# Altium PCB ctrl_boardV1.2.PcbDoc (part 3 of 3)
Units mm, origin at the board's own origin, x right, y up, seen from the top; angles counter-clockwise.
Board outline 212 x 85 mm, 2 copper layers (Top Layer, Bottom Layer); 255 components, 141 nets, 739 pads, 2246 vias.
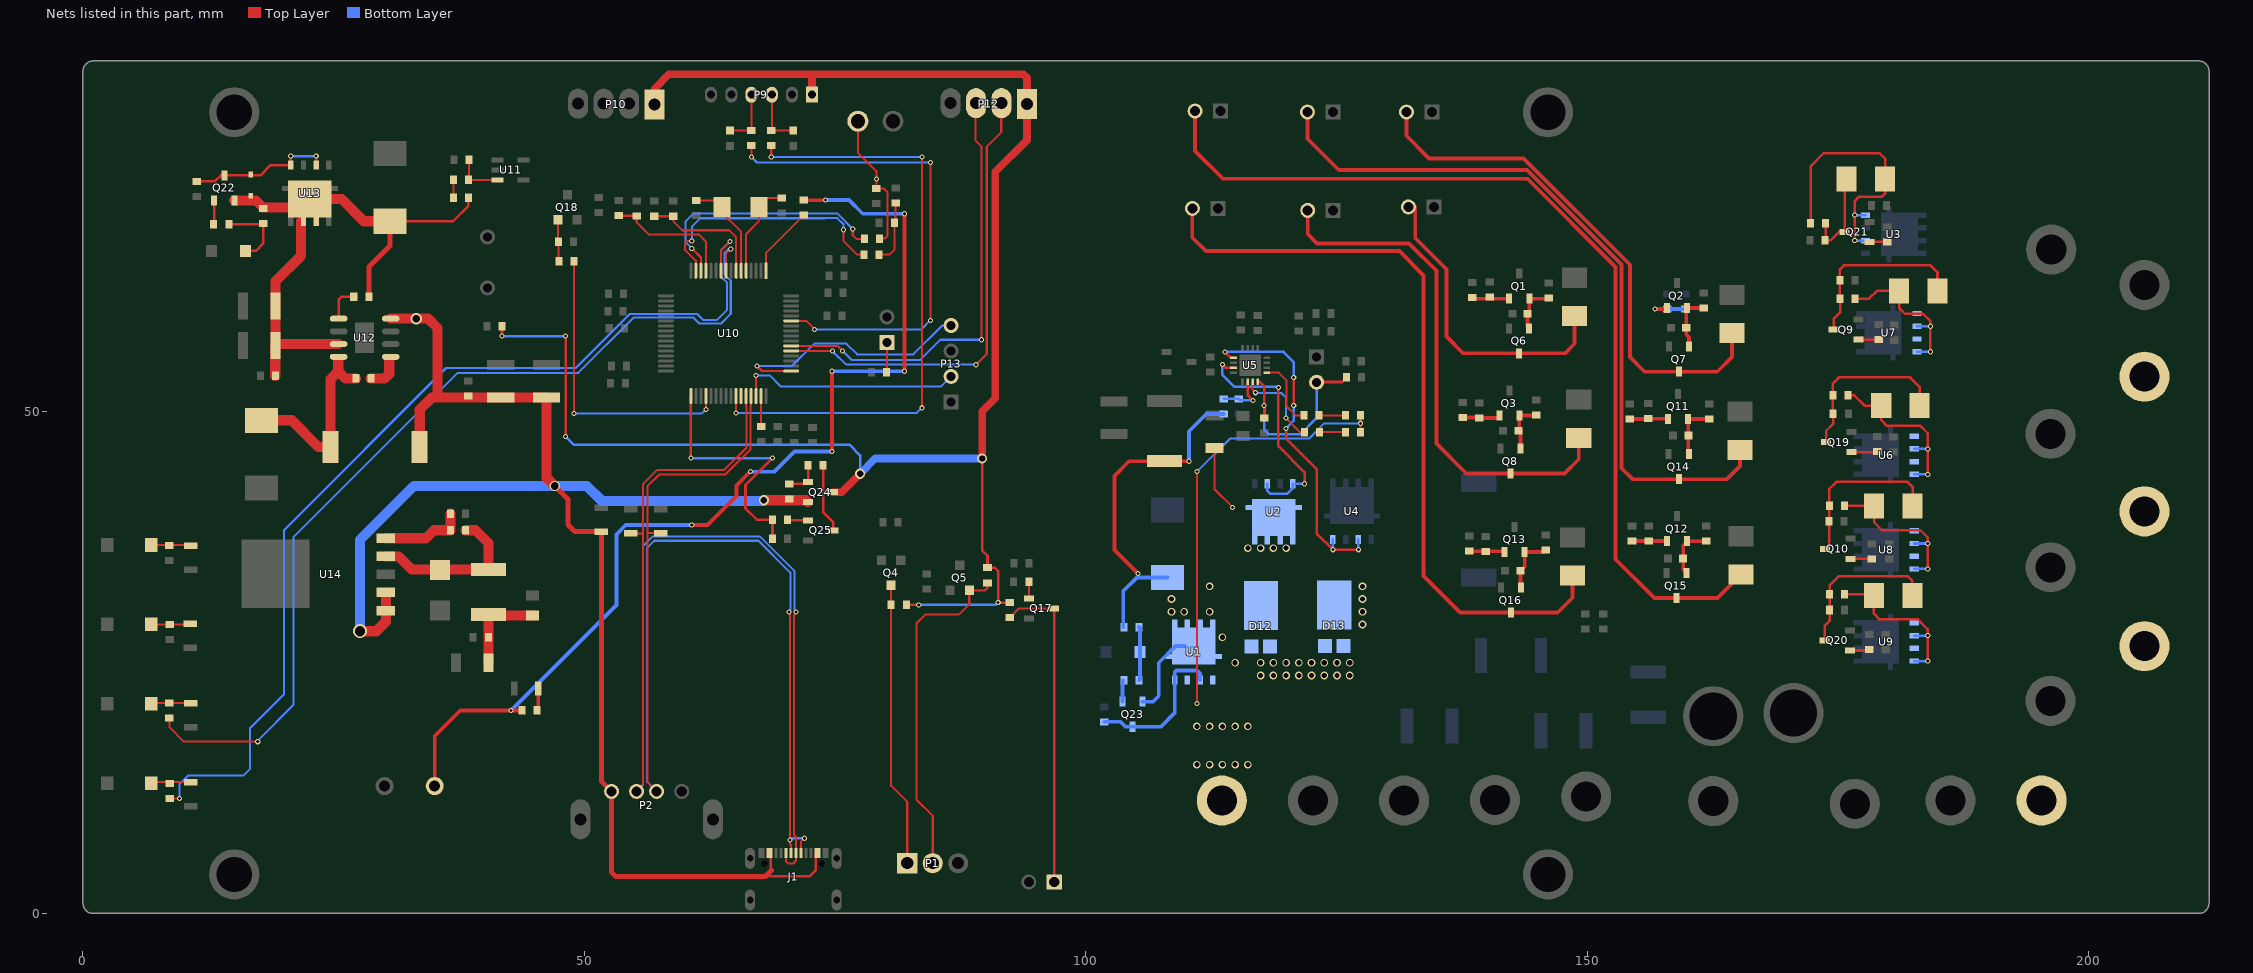
[diagram p3: the nets of this part, all layers, seen from the top]

## Via types
v1: diameter 0.508, hole 0.305, Top Layer to Bottom Layer, tented both sides, 2167 vias
v2: diameter 0.762, hole 0.508, Top Layer to Bottom Layer, tented both sides, 67 vias
v3: diameter 1.016, hole 0.635, Top Layer to Bottom Layer, tented both sides, 3 vias
v4: diameter 1.016, hole 0.762, Top Layer to Bottom Layer, tented both sides, 2 vias
v5: diameter 1.397, hole 1.016, Top Layer to Bottom Layer, tented both sides, 2 vias
v6: diameter 1.143, hole 0.762, Top Layer to Bottom Layer, tented both sides, 2 vias
v7: diameter 1.5, hole 1, Top Layer to Bottom Layer, 1 vias
v8: diameter 1.524, hole 1.016, Top Layer to Bottom Layer, tented both sides, 1 vias
v9: diameter 1.27, hole 0.762, Top Layer to Bottom Layer, tented both sides, 1 vias

## Nets (pads, with @x,y where several pads share a name; then routed paths per layer and width w, separated by ;. In a path a pad name is that pad's centre, name@x,y a point inside that pad or via, vN(x,y) a via of type N, cw(c..) or ccw(c..) an arc to the next point about the centre after c; other vN are vias at no path point) (continued)
NetC14_2: C14.2 U10.47 | length 3
  Top Layer w0.203: C14.2@67.615,48.541 67.623,48.549 U10.47@67.623,51.584
NetC15_2: C15.2 L1.1 U10.13 | length 13
  Top Layer w0.203: C15.2@53.416,69.569 55.17,69.569 L1.1@55.22,69.52 55.22,68.91 55.88,68.25 56.413,67.716 61.392,67.716 62.123,66.985 U10.13@62.123,64.084
NetC16_2: C16.2 R53.2 U10.7 | length 12.7
  Top Layer w0.203: R53.2@56.972,69.518 C16.2@58.877,69.518 58.877,69.005 59.026,68.856 59.76,68.123 64.44,68.123 65.123,67.44 U10.7@65.123,64.084
NetC25_1: C25.1 D24.2 L3.1 U12.8 | length 18.9
  Top Layer w1.016: D24.2@17.805,49.168 20.809,49.168 23.475,46.502 L3.1@24.678,46.502 24.678,53.279 25.451,54.051 ; 25.451,55.067 25.451,54.051 ; C25.1@27.203,53.34 26.162,53.34 25.451,54.051
NetC25_2: C25.2 U12.1 | length 3.4
  Top Layer w1.016: C25.2@28.703,53.34 30.074,53.34 30.531,53.797 30.531,55.194
Netcooler1_2: cooler1.2 D1.1 Q6.3 | length 30.8
  Top Layer w0.381: cooler1.2@132.842,70.46 132.842,67.361 135.97,64.233 135.97,57.509 137.632,55.848 Q6.3@143.2,55.848 147.77,55.848 148.721,56.798 D1.1@148.721,59.557
Netcooler2_2: cooler2.2 D2.1 Q7.3 | length 52.9
  Top Layer w0.381: cooler2.2@131.978,79.908 131.978,77.546 134.235,75.289 143.654,75.289 154.258,64.686 154.258,55.477 155.717,54.019 Q7.3@159.151,54.019 162.959,54.019 164.418,55.477 D2.1@164.418,57.855
NetD3_1: D3.1 P3.2 Q8.3 | length 52.1
  Top Layer w0.381: P3.2@122.127,70.108 122.127,67.738 123.063,66.802 132.232,66.802 134.954,64.08 134.954,46.841 137.937,43.859 Q8.3@142.336,43.859 147.719,43.859 149.153,45.292 D3.1@149.153,47.416
NetD4_1: D4.1 R6.2 U7.2 U7.4 | length 15.8
  Top Layer w0.254: R6.2@176.713,61.294 178.109,61.294 178.896,62.081 D4.1@181.096,62.081 181.096,60.39 181.69,59.795 183.468,59.795 184.209,59.055 v1(184.209,58.547) v1(184.209,56.007)
  Bottom Layer w0.254: U7.4@182.861,56.007 v1(184.209,56.007) ; U7.2@182.861,58.547 v1(184.209,58.547)
NetD4_2: D4.2 Q9.3 R4.1 R6.1 | length 18.3
  Top Layer w0.254: Q9.3@174.567,58.205 174.567,59.277 175.213,59.922 R6.1@175.213,61.294 175.188,61.319 R4.1@175.188,63.148 175.188,64.215 175.594,64.621 184.23,64.621 184.926,63.926 D4.2@184.926,62.081
NetD5_1: D5.1 R7.2 U8.2 U8.4 | length 16.4
  Top Layer w0.254: R7.2@175.646,40.644 D5.1@178.607,40.644 178.607,39.003 179.404,38.205 183.214,38.205 183.955,37.465 v1(183.955,36.885) v1(183.955,34.345)
  Bottom Layer w0.254: U8.4@182.607,34.345 v1(183.955,34.345) ; U8.2@182.607,36.885 v1(183.955,36.885)
NetD5_2: D5.2 Q10.3 R5.1 R7.1 | length 16.8
  Top Layer w0.254: Q10.3@173.729,36.361 174.121,36.752 R5.1@174.121,39.12 174.146,39.145 R7.1@174.146,40.644 174.146,42.346 174.832,43.031 181.944,43.031 182.437,42.539 D5.2@182.437,40.644
NetD6_1: D6.1 P6.2 Q14.3 | length 73.9
  Top Layer w0.381: P6.2@122.098,79.908 122.098,77.241 125.215,74.124 143.993,74.124 153.414,64.704 153.414,44.384 154.497,43.3 Q14.3@159.125,43.3 163.925,43.3 165.231,44.606 D6.1@165.231,46.222
NetD7_1: D7.1 P7.2 Q15.3 | length 94.9
  Top Layer w0.381: P7.2@110.896,80.01 110.896,76.031 113.673,73.254 144.038,73.254 152.83,64.462 152.83,35.316 156.707,31.438 Q15.3@158.897,31.438 162.995,31.438 D7.1@165.332,33.776
NetD8_1: D8.1 P8.2 Q16.3 | length 76.7
  Top Layer w0.381: P8.2@110.617,70.307 110.617,67.412 111.989,66.04 131.267,66.04 133.684,63.623 133.684,33.633 137.327,29.99 Q16.3@142.387,29.99 147.059,29.99 148.543,31.474 D8.1@148.543,33.674
NetD9_1: D9.1 R29.2 U6.2 U6.4 | length 17.1
  Top Layer w0.254: R29.2@176.002,51.667 176.61,51.667 177.651,50.626 D9.1@179.318,50.626 179.318,49.214 179.912,48.619 183.214,48.619 183.955,47.879 v1(183.955,46.319) v1(183.955,43.779)
  Bottom Layer w0.254: U6.4@182.607,43.779 v1(183.955,43.779) ; U6.2@182.607,46.319 v1(183.955,46.319)
NetD9_2: D9.2 Q19.3 R27.1 R29.1 | length 17.3
  Top Layer w0.254: Q19.3@173.831,47.003 173.831,48.126 174.527,48.823 R27.1@174.527,49.839 174.502,49.864 R29.1@174.502,51.667 174.502,52.861 175.086,53.445 182.198,53.445 183.148,52.496 D9.2@183.148,50.626
NetD10_1: D10.1 R30.2 U9.2 U9.4 | length 16.6
  Top Layer w0.254: R30.2@175.672,31.805 178.48,31.805 D10.1@178.581,31.703 178.581,29.884 179.15,29.315 182.96,29.315 183.955,28.321 v1(183.955,27.706) v1(183.955,25.166)
  Bottom Layer w0.254: U9.4@182.607,25.166 v1(183.955,25.166) ; U9.2@182.607,27.706 v1(183.955,27.706)
NetD10_2: D10.2 Q20.3 R28.1 R30.1 | length 16
  Top Layer w0.254: Q20.3@173.678,27.217 173.678,28.67 174.172,29.163 R28.1@174.172,30.255 R30.1@174.172,31.805 174.172,32.719 175.086,33.633 181.944,33.633 182.411,33.166 D10.2@182.411,31.703
NetD11_1: D11.1 R36.2 U3.2 U3.4 | length 26.8
  Top Layer w0.254: R36.2@172.265,68.838 172.265,74.501 173.562,75.797 179.15,75.797 179.693,75.254 D11.1@179.693,73.232 179.693,71.769 179.404,71.479 177.118,71.479 176.677,71.038 v1(176.677,69.635) v1(176.677,67.095)
  Bottom Layer w0.254: v1(176.677,67.095) U3.2@177.763,67.095 ; v1(176.677,69.635) U3.4@177.763,69.635
NetD11_2: D11.2 Q21.3 R35.1 R36.1 | length 9.4
  Top Layer w0.254: R36.1@173.765,68.838 173.765,67.187 R35.1@173.714,67.136 174.299,67.136 175.121,67.958 Q21.3@175.659,67.958 175.659,73.028 D11.2@175.863,73.232
NetD12_3: D12.3 D13.3 R68.1 U2.5 U2.6 U2.7 U2.8 | length 6.7
  Top Layer w0.203: R68.1@112.831,46.41 112.831,42.295 v1(114.634,40.491)
  other v2: 127.588,28.807 127.588,30.077 127.588,31.347 127.588,32.617 116.158,36.427 117.428,36.427 118.698,36.427 119.968,36.427
NetD17_2: D17.2 R64.1 R65.1 | length 5.4
  Bottom Layer w0.381: R65.1@105.312,23.245 105.395,23.328 D17.2@105.395,26.064 105.395,28.47 R64.1@105.312,28.553
NetD20_2: D20.2 R57.1 SW1.2 | length 4
  Top Layer w0.203: SW1.2@6.805,12.987 6.919,13.101 D20.2@10.767,13.101
NetD21_2: D21.2 R58.1 SW2.2 | length 4
  Top Layer w0.203: SW2.2@6.805,20.903 6.876,20.975 D21.2@10.767,20.975
NetD22_2: D22.2 R60.1 SW3.2 | length 3.8
  Top Layer w0.203: SW3.2@6.805,28.819 D22.2@10.636,28.819
NetD23_2: D23.2 R61.1 SW4.2 | length 4
  Top Layer w0.203: SW4.2@6.805,36.736 10.703,36.736 D23.2@10.767,36.672
NetD26_2: D26.2 R81.1 R82.1 | length 7.6
  Top Layer w0.254: R82.1@14.538,68.707 17.856,68.707 R81.1@17.958,68.809 17.958,66.79 17.233,66.065 D26.2@16.187,66.065
NetD27_2: D27.2 F3.1 R84.1 U14.4 | length 16.2
  Top Layer w1.016: U14.4@30.201,35.601 31.455,35.601 32.766,34.29 F3.1@40.437,34.29 40.437,36.906 39.141,38.202 R84.1@38.151,38.202
NetD28_1: D28.1 Q22.3 R83.1 U13.2 U13.4 | length 14.4
  Top Layer w0.254: R83.1@11.328,72.999 11.354,73.025 13.182,73.025 13.752,73.595 17.689,73.595 18.71,74.615 U13.4@20.717,74.615 v1(20.717,75.517) ; U13.2@23.257,74.615 v1(23.257,75.517)
  Bottom Layer w0.254: v1(20.717,75.517) v1(23.257,75.517)
NetD29_2: D29.2 R93.1 | length 2.2
  Top Layer w0.381: R93.1@45.263,20.244 45.402,20.383 D29.2@45.402,22.428
NetH1-_1: H1-.1 U7.1 U7.3
NetH2-_1: H2-.1 U6.1 U6.3
NetH3-_1: H3-.1 U8.1 U8.3
NetH4-_1: H4-.1 U9.1 U9.3
NetLED1_1: LED1.1 R75.1 | length 2.6
  Top Layer w0.203: LED1.1@123.307,47.99 R75.1@125.872,47.99
NetLED1_2: LED1.2 U5.3 | length 8.9
  Top Layer w0.203: U5.3@116.637,53.007 116.637,52.193 v1(116.908,51.921) ; v1(119.968,49.381) 121.359,47.99 LED1.2@121.807,47.99
  Bottom Layer w0.203: v1(116.908,51.921) 116.959,51.871 119.511,51.871 119.968,51.413 v1(119.968,49.381)
NetLED2_1: LED2.1 R77.1 | length 2.6
  Top Layer w0.203: LED2.1@123.256,49.666 125.866,49.666 R77.1@125.886,49.686
NetLED2_2: LED2.2 U5.5 | length 7
  Top Layer w0.203: U5.5@118.044,53.915 119.245,53.915 119.993,53.166 119.993,50.598 120.925,49.666 LED2.2@121.756,49.666
NetNTC_2: NTC.2 R71.2 R74.1 U5.4 | length 18.6
  Top Layer w0.254: U5.4@117.137,53.007 117.358,53.007 117.784,52.582 v1(117.784,50.651) R74.1@117.784,49.381 ; NTC.2@123.626,52.988 125.531,52.988 R71.2@125.988,53.445
  Bottom Layer w0.254: v1(117.784,50.651) 117.784,48.264 118.266,47.781 121.416,47.781 123.016,49.381 NTC.2@123.016,52.963
NetP1_1: P1.1 Q4.3 R40.1 | length 28.4
  Top Layer w0.203: Q4.3@80.594,32.71 R40.1@80.594,30.759 80.594,12.725 82.194,11.125 P1.1@82.194,5.004 P1.1@82.22,5.029
NetP1_2: P1.2 Q5.2 R41.1 | length 34.7
  Top Layer w0.203: P1.2@84.734,5.004 84.734,9.728 83.109,11.354 83.109,28.905 84.023,29.82 87.376,29.82 88.377,30.82 Q5.2@88.377,32.202 ; Q5.2@88.377,32.436 Q5.2@88.377,32.202 ; R41.1@90.195,32.969 90.195,32.461 89.936,32.202 Q5.2@88.377,32.202
NetP4_1: P4.1 Q17.3 R43.1 | length 32.1
  Top Layer w0.203: R43.1@92.405,29.489 93.336,30.42 Q17.3@96.81,30.42 96.85,30.38 P4.1@96.85,3.124
NetP9_3: P9.3 R46.1 TVS7.2 | length 5.8
  Top Layer w0.203: P9.3@68.695,81.636 68.695,78.118 R46.1@68.631,78.054 TVS7.2@70.841,78.054
NetP9_4: P9.4 R47.1 TVS8.2 | length 5.7
  Top Layer w0.203: TVS8.2@64.516,78.054 R47.1@66.65,78.054 66.645,78.059 P9.4@66.645,81.636
NetP14_1: P14.1 R52.1 | length 3
  Top Layer w0.203: R52.1@80.137,53.975 80.162,54 P14.1@80.162,56.947
NetQ1_1: Q1.1 R1.1 R8.2 | length 3.7
  Top Layer w0.381: R8.2@138.51,61.394 138.61,61.294 Q1.1@142.218,61.294
NetQ1_2: Q1.2 Q6.1 R11.1 TVS1.2 | length 5.1
  Top Layer w0.381: Q6.1@144.2,58.348 144.047,58.5 TVS1.2@144.047,59.795 144.218,59.967 Q1.2@144.218,61.294 146.105,61.294 R11.1@146.181,61.37
NetQ2_1: Q2.1 R2.1 R9.2 | length 4.2
  Top Layer w0.381: v1(156.773,60.278) 157.865,60.278 Q2.1@157.941,60.354
  Bottom Layer w0.381: v1(156.773,60.278) R9.2@157.966,60.278 159.743,60.278 R2.1@159.77,60.251
NetQ2_2: Q2.2 Q7.1 R12.1 TVS2.2 | length 5.7
  Top Layer w0.381: Q7.1@160.151,56.519 160.151,57.459 159.871,57.738 TVS2.2@159.871,58.398 159.871,60.285 Q2.2@159.941,60.354 R12.1@161.624,60.354
NetQ3_1: Q3.1 R3.1 R10.2 | length 3.7
  Top Layer w0.381: R3.1@137.604,49.44 139.203,49.44 R10.2@139.23,49.413 141.006,49.413 Q3.1@141.228,49.635
NetQ3_2: Q3.2 Q8.1 R13.1 TVS3.2 | length 5.2
  Top Layer w0.381: TVS3.2@143.133,48.111 TVS3.2@143.228,48.206 ; Q8.1@143.336,46.359 143.336,48.098 TVS3.2@143.228,48.206 ; R13.1@144.911,49.712 144.835,49.635 Q3.2@143.228,49.635 TVS3.2@143.228,48.206
NetQ9_1: Q9.1 R14.1 | length 2
  Top Layer w0.254: Q9.1@177.067,57.205 R14.1@179.074,57.205
NetQ10_1: Q10.1 R15.1 | length 2.2
  Top Layer w0.254: Q10.1@176.229,35.361 178.363,35.361 R15.1@178.388,35.335
NetQ11_1: Q11.1 R18.1 R21.2 | length 3.8
  Top Layer w0.381: R21.2@154.233,49.304 156.06,49.304 R18.1@156.087,49.331 Q11.1@158.043,49.331
NetQ11_2: Q11.2 Q14.1 R24.1 TVS4.2 | length 5.5
  Top Layer w0.381: Q14.1@160.068,45.857 Q11.2@160.068,49.305 162.132,49.305 R24.1@162.157,49.28
NetQ12_1: Q12.1 R19.1 R22.2 | length 3.5
  Top Layer w0.381: R19.1@154.461,37.139 157.941,37.139 Q12.1@157.966,37.113
NetQ12_2: Q12.2 Q15.1 R25.1 TVS5.2 | length 5.4
  Top Layer w0.381: Q15.1@159.897,33.938 159.567,34.268 TVS5.2@159.567,35.386 159.567,36.713 Q12.2@159.966,37.113 R25.1@161.878,37.113
NetQ13_1: Q13.1 R20.1 R23.2 | length 3.5
  Top Layer w0.381: R23.2@138.256,36.121 141.686,36.121 Q13.1@141.761,36.046
NetQ13_2: Q13.2 Q16.1 R26.1 TVS6.2 | length 5.9
  Top Layer w0.381: Q16.1@143.387,32.49 143.336,32.541 TVS6.2@143.336,34.167 143.761,34.592 Q13.2@143.761,36.046 145.698,36.046 R26.1@145.876,36.224
NetQ17_1: Q17.1 R45.1 | length 1.7
  Top Layer w0.203: Q17.1@94.31,31.42 R45.1@94.31,33.071
NetQ18_1: Q18.1 R63.2 R79.1 | length 4.2
  Top Layer w0.203: Q18.1@47.361,69.184 47.361,67.015 R79.1@47.422,66.954 47.422,65.073 R63.2@47.446,65.049
NetQ19_1: Q19.1 R31.1 | length 2.6
  Top Layer w0.254: Q19.1@176.331,46.003 178.845,46.003 R31.1@178.896,46.054
NetQ20_1: Q20.1 R32.1 | length 2
  Top Layer w0.254: Q20.1@176.178,26.217 178.032,26.217 R32.1@178.109,26.293
NetQ21_1: Q21.1 R37.1 | length 1.8
  Top Layer w0.254: Q21.1@178.159,66.958 R37.1@179.912,66.958
NetQ22_1: Q22.1 R82.2 | length 2.4
  Top Layer w0.254: R82.2@12.964,68.707 13.088,68.831 Q22.1@13.088,71.095
NetQ23_1: Q23.1 R65.2 | length 2.2
  Bottom Layer w0.381: Q23.1@103.661,21.111 103.661,23.168 R65.2@103.738,23.245
NetQ23_3: Q23.3 R66.1 U1.2 U1.4 | length 15.2
  Bottom Layer w0.381: R66.1@101.832,19.105 103.472,19.105 103.966,18.611 Q23.3@104.661,18.611 107.486,18.611 108.859,19.984 U1.4@108.859,23.28 108.859,24.048 109.046,24.235 111.078,24.235 111.399,23.915 U1.2@111.399,23.28
NetQ24_1: Q24.1 R86.1 R87.2 | length 3.5
  Top Layer w0.254: R86.1@70.409,42.824 72.06,42.824 Q24.1@72.238,43.002 ; Q24.1@72.288,43.053 72.312,43.077 R87.2@72.312,44.679
NetQ25_1: Q25.1 R88.1 | length 2
  Top Layer w0.254: R88.1@70.282,39.192 Q25.1@72.314,39.192
NetQ25_3: Q25.3 R87.1 | length 6.9
  Top Layer w0.254: R87.1@73.812,44.679 73.812,40.005 74.828,38.989 Q25.3@74.828,38.202
NetR46_2: R46.2 U10.42 | length 61.7
  Top Layer w0.203: v1(65.123,49.908) U10.42@65.123,51.584 ; v1(68.631,75.438) R46.2@68.631,76.554 ; v1@83.668,50.368 v1(83.668,75.438)
  Bottom Layer w0.203: v1(65.123,49.908) 83.157,49.908 v1(83.668,50.419) ; v1(68.631,75.438) v1(83.668,75.438)
NetR47_2: R47.2 U10.59 | length 49.7
  Top Layer w0.203: v1(66.65,75.438) R47.2@66.65,76.554 ; U10.59@70.623,59.084 72.107,59.084 v1(72.949,58.242) ; v1(84.506,59.131) v1(84.506,74.879)
  Bottom Layer w0.203: v1(66.65,75.438) 67.208,74.879 v1(84.506,74.879) ; v1(72.949,58.242) 73.711,58.242 ; 73.584,58.242 73.711,58.242 ; v1(84.506,59.131) 83.617,58.242 73.711,58.242
NetR48_2: R48.2 U10.14 | length 25.1
  Top Layer w0.203: v1(60.706,66.319) 61.623,65.403 U10.14@61.623,64.084 ; v1(76.759,68.25) 76.759,67.615 77.114,67.259 R48.2@77.926,67.259
  Bottom Layer w0.203: v1(60.706,66.319) 60.071,66.954 60.071,68.958 60.909,69.796 75.212,69.796 v1(76.759,68.25)
NetR49_2: R49.2 U10.15 | length 25.4
  Top Layer w0.203: v1(60.706,67.056) 60.198,67.056 60.02,66.878 60.02,66.192 61.123,65.09 U10.15@61.123,64.084 ; v1(75.844,68.174) 75.844,67.031 77.191,65.684 R49.2@77.875,65.684
  Bottom Layer w0.203: v1(60.706,67.056) 60.706,68.478 61.544,69.317 73.951,69.317 73.964,69.329 75.212,69.329 75.845,68.697 v1(75.844,68.174)
NetR51_2: R51.2 U10.1 | length 7.1
  Top Layer w0.203: U10.1@68.123,64.084 68.123,65.861 R51.2@71.882,69.62
NetR55_2: R55.2 R56.1 | length 1.8
  Top Layer w0.203: R55.2@36.93,71.374 36.957,71.401 R56.1@36.957,73.152
NetR56_2: R56.2 R59.1 U11.3 | length 4.9
  Top Layer w0.203: R59.1@38.506,75.159 38.506,73.201 R56.2@38.457,73.152 41.337,73.152 U11.3@41.347,73.143
NetR69_2: R69.2 R72.1 U5.2 | length 5
  Top Layer w0.254: U5.2@116.137,53.007 116.137,51.689 v1(116.666,51.159)
  Bottom Layer w0.254: R69.2@113.762,51.302 R72.1@115.259,51.302 ; R72.1@115.269,51.312 R72.1@115.259,51.302 ; v1(116.666,51.159) 115.402,51.159 R72.1@115.259,51.302
NetR80_1: R80.1 U12.5 | length 3.5
  Top Layer w0.254: U12.5@25.492,59.309 25.492,61.205 25.756,61.468 R80.1@27,61.468
NetR84_2: R84.2 R85.2 U14.5 | length 8.4
  Top Layer w1.016: U14.5@30.201,37.401 34.2,37.401 35.001,38.202 R84.2@36.651,38.202 R85.2@36.651,39.853
NetU2_2: U2.2 U2.4 U5.15 | length 24.2
  Top Layer w0.254: v1(113.618,54.715) 113.919,54.415 U5.15@114.729,54.415 ; v1(119.206,52.429) 119.206,46.587 121.812,43.981 v1(121.812,42.843)
  Bottom Layer w0.254: v1(113.618,54.715) 113.618,53.699 114.812,52.506 119.13,52.506 v1(119.206,52.429) ; U2.2@118.098,42.843 118.098,42.133 118.393,41.838 120.044,41.838 120.638,42.431 U2.4@120.638,42.843 v1(121.812,42.843)
NetU4_2: U4.2 U4.4 U5.13 | length 33.9
  Top Layer w0.254: v1(113.872,55.985) 114.443,55.415 U5.13@114.729,55.415 ; v1(119.968,48.365) 119.968,47.349 123.016,44.301 123.016,37.881 v1(124.632,36.265) v1(127.172,36.265) ; v1(120.73,50.651) v1(120.73,53.445)
  Bottom Layer w0.254: v1(113.872,55.985) 119.714,55.985 120.73,54.969 v1(120.73,53.445) ; v1(119.968,48.365) 120.73,49.127 v1(120.73,50.651) ; v1(124.632,36.265) U4.4@124.632,37.301 ; v1(127.172,36.265) U4.2@127.172,37.301
ok: R58.2 U10.9 | length 95
  Top Layer w0.203: R58.2@8.633,19.475 8.633,18.549 10.063,17.12 v1(17.424,17.12) ; U10.9@64.123,64.084 64.11,64.097 64.11,65.761 v1(64.592,66.243)
  Bottom Layer w0.203: v1(17.424,17.12) 17.424,17.202 17.566,17.343 17.566,17.362 20.98,20.777 20.98,37.49 37.389,53.899 49.404,53.899 54.947,59.441 60.828,59.441 61.443,58.826 63.641,58.826 64.592,59.777 64.592,63.098 63.953,63.737 63.953,65.862 64.276,66.185 64.534,66.185 v1(64.592,66.243)
OSC_IN: C17.2 U10.5 Y1.2 | length 8.3
  Top Layer w0.203: U10.5@66.123,64.084 66.123,67.748 67.403,69.029 Y1.2@67.403,70.46 ; 68.268,71.325 C17.2@69.672,71.325
OSC_OUT: C24.2 U10.6 Y1.1 | length 8.7
  Top Layer w0.203: C24.2@61.163,71.071 Y1.1@63.092,71.071 ; Y1.1@63.703,70.079 63.703,69.875 65.623,67.956 U10.6@65.623,64.084
PT2_1: P16.2 R48.1 R90.1 | length 14
  Top Layer w0.203: P16.2@77.272,78.994 77.272,75.865 79.121,74.016 v1(79.121,73.228) R90.1@79.121,72.288 79.858,72.288 80.239,71.907 80.239,67.572 79.962,67.295 79.462,67.295 R48.1@79.426,67.259
PT2_2: R49.1 R91.1 R92.2 | length 6.4
  Top Layer w0.203: R49.1@79.375,65.684 80.416,65.684 80.899,66.167 R91.1@80.899,68.885 81.026,69.012 R92.2@81.026,70.839
PWR_EN: R88.2 R89.1 U10.33 | length 25.5
  Top Layer w0.254: v1(60.623,45.408) U10.33@60.623,51.584 ; R89.1@68.732,37.363 68.756,37.387 R88.2@68.756,39.268 67.183,39.268 66.065,40.386 66.065,42.734 v1(68.739,45.408)
  Bottom Layer w0.254: v1(60.623,45.408) v1(68.739,45.408)
rf_rxd: P12.3 U10.54 | length 44.3
  Top Layer w0.203: U10.54@70.623,56.584 75.242,56.584 v1(75.743,56.083) ; P12.3@88.976,80.797 88.976,77.089 89.611,76.454 89.611,57.861 v1(89.611,57.201)
  Bottom Layer w0.203: v1(75.743,56.083) 76.632,55.194 83.49,55.194 85.496,57.201 v1(89.611,57.201)
rf_txd: P12.2 U10.53 | length 46.1
  Top Layer w0.203: U10.53@70.623,56.084 v1(74.727,56.083) ; v1(89.052,54.712) 90.119,55.778 90.119,76.454 91.567,77.902 P12.2@91.567,80.797
  Bottom Layer w0.203: v1(74.727,56.083) 76.098,54.712 v1(89.052,54.712)
set: R57.2 U10.10 | length 99.8
  Top Layer w0.203: R57.2@8.633,11.461 v1(9.614,11.461) ; U10.10@63.623,64.084 63.623,66.112 v1(64.516,67.005)
  Bottom Layer w0.203: v1(9.614,11.461) 9.614,12.885 10.471,13.741 15.981,13.741 16.662,14.422 16.662,18.491 20.041,21.869 20.041,38.227 36.195,54.381 49.128,54.381 54.518,59.771 61.261,59.771 61.876,59.157 63.208,59.157 64.235,60.184 64.235,62.886 63.623,63.498 63.623,66.112 v1(64.516,67.005)
SPEAK: R63.1 U10.36 | length 29.9
  Top Layer w0.203: v1(48.946,49.86) R63.1@48.946,65.049 ; U10.36@62.123,51.584 62.123,50.247 v1(62.128,50.241)
  Bottom Layer w0.203: v1(48.946,49.86) 61.747,49.86 v1(62.128,50.241)
SWCLK: P13.4 U10.49 | length 25.5
  Top Layer w0.203: v1(67.208,54.585) 67.709,54.084 U10.49@70.623,54.084
  Bottom Layer w0.203: v1(67.208,54.585) 70.688,54.585 72.923,56.82 76.124,56.82 77.191,55.753 82.804,55.753 85.674,58.623 P13.4@86.563,58.623
SWDIO: P13.2 U10.46 | length 22.4
  Top Layer w0.203: U10.46@67.123,51.584 v1(67.123,53.654)
  Bottom Layer w0.203: v1(67.123,53.654) 68.478,53.654 69.605,52.527 85.547,52.527 P13.2@86.563,53.543
USB_ID: U10.43
USB_N: D15.2 J1.A7 J1.B7 P2.2 U10.44 | length 121.6
  Top Layer w0.203: D15.2@54.61,37.884 55.786,37.884 ; P2.2@55.206,12.173 55.206,12.26 55.824,12.878 55.824,42.78 57.265,44.221 63.932,44.221 66.17,46.459 66.17,50.575 66.123,50.622 U10.44@66.123,51.584 ; J1.B7@70.091,6.02 70.091,5.195 70.299,4.986 70.854,4.986 71.091,5.223 J1.A7@71.091,6.02 71.091,7.643 70.917,7.817 70.917,29.766 71.095,29.944 v1(71.095,30.048)
  Bottom Layer w0.203: P2.2@55.206,12.173 55.206,12.21 55.849,12.853 55.849,36.638 56.778,37.567 67.529,37.567 70.942,34.154 v1@70.942,30.201
USB_P: D18.2 J1.A6 J1.B6 P2.3 U10.45 | length 121.1
  Top Layer w0.203: 56.294,37.91 D18.2@57.633,37.91 ; P2.3@57.206,12.173 56.281,13.098 56.281,42.591 57.455,43.764 64.049,43.764 66.576,46.291 66.576,50.575 66.623,50.622 U10.45@66.623,51.584 ; v1(70.383,30.048) 70.51,29.921 70.51,6.88 70.591,6.8 J1.A6@70.591,6.02 ; J1.B6@71.591,6.02 71.591,7.143 v1(71.941,7.493)
  Bottom Layer w0.203: P2.3@57.206,12.173 56.256,13.123 56.256,36.469 56.947,37.16 67.361,37.16 70.536,33.985 70.536,30.201 v1(70.383,30.048) ; v1(70.51,7.319) 70.684,7.493 v1(71.941,7.493)
VCC_3.3V: C32.2 C33.2 F3.2 FB1.1 | length 9.2
  Top Layer w1.016: C33.2@40.436,24.994 C33.2@40.436,24.994 F3.2@40.437,29.79 40.509,29.718 FB1.1@44.831,29.718
VCC_5V: C29.1 C30.1 C31.1 D19.2 J1.A4 J1.A9 J1.B4 J1.B9 L3.2 P2.1 Q24.2 R86.2 U12.4 U14.1 U14.2 | length 168.8
  Top Layer w0.254: 68.047,3.683 72.441,3.683 73.091,4.333 J1.A9@73.091,6.02 J1.B4@73.391,6.02 ; J1.B9@68.291,6.02 J1.A4@68.591,6.02 68.591,4.379 68.667,4.303
  Top Layer w0.508: v4(47.041,42.621) 48.362,41.3 48.362,38.76 49.06,38.062 D19.2@51.689,38.062 51.689,13.19 P2.1@52.706,12.173 52.706,4.114 53.137,3.683 68.047,3.683 68.667,4.303
  Top Layer w1.016: v5(27.61,28.143) 29.261,28.143 30.201,29.083 U14.1@30.201,30.201 U14.2@30.201,32.001 ; U12.4@30.692,59.309 v6(33.249,59.309) 34.417,59.309 35.357,58.369 35.357,51.562 35.23,51.435 ; L3.2@33.578,46.502 33.578,50.241 34.773,51.435 35.23,51.435 ; v4(47.041,42.621) 46.228,43.434 C29.1@46.228,51.435 C31.1@41.656,51.435 35.23,51.435 ; v3(67.894,41.199) 72.085,41.199 Q24.2@72.263,41.021
  Bottom Layer w1.016: v5(27.61,28.143) 27.61,37.236 32.995,42.621 50.241,42.621 51.727,41.135 67.831,41.135 v3(67.894,41.199) ; v3@67.894,41.173 v3@67.92,41.173
VCC_5V_DRV: P9.1 P10.1 P12.1 Q24.3 R40.2 R41.2 R43.2 R62.2 | length 172.8
  Top Layer w0.254: v1(41.784,57.571) R62.2@41.784,58.547 ; v1(48.118,47.538) v1(48.118,57.571) ; R40.2@82.094,30.759 v1(83.337,30.759) ; v3(89.662,45.364) 89.662,36.195 90.195,35.662 R41.2@90.195,34.469 90.931,34.469 91.262,34.138 v1(91.262,31.013) 91.286,30.989 R43.2@92.405,30.989
  Top Layer w0.762: P10.1@56.998,80.645 56.998,82.245 58.42,83.668 72.771,83.668 ; P9.1@72.695,81.636 72.695,83.591 72.771,83.668 ; Q24.3@74.788,42.002 75.657,42.002 v3(77.495,43.84) ; v3(89.662,45.364) 89.662,50.063 90.983,51.384 90.983,73.939 94.132,77.089 P12.1@94.132,80.696 94.132,83.312 93.777,83.668 72.771,83.668
  Bottom Layer w0.254: v1(41.784,57.571) v1(48.118,57.571) ; v1(48.118,47.538) 48.92,46.736 76.429,46.736 77.495,45.669 v3(77.495,43.84) ; v1(83.337,30.759) 91.008,30.759 v1(91.262,31.013)
  Bottom Layer w0.762: v3(77.495,43.84) 79.019,45.364 v3(89.662,45.364)
VCC_RTC: C34.1 R51.1 R93.2 | length 103.7
  Top Layer w0.381: C34.1@35.074,12.7 35.074,17.7 37.617,20.244 v1(42.677,20.244) R93.2@43.763,20.244 ; v1(60.706,38.722) 62.268,38.722 65.151,41.605 65.151,42.657 v1(66.543,44.049) ; R51.1@71.882,71.12 v1(74.04,71.12) ; v1(74.701,46.05) v1(74.701,54.06) ; v1(81.924,54.06) v1(81.924,69.767)
  Bottom Layer w0.381: v1(42.677,20.244) 53.188,30.754 53.188,37.784 54.126,38.722 v1(60.706,38.722) ; v1(66.543,44.049) 68.945,44.049 70.947,46.05 v1(74.701,46.05) ; v1@74.058,71.138 76.385,71.138 77.757,69.767 v1(81.924,69.767) ; v1(74.701,54.06) v1(81.924,54.06)
VIN_Adatper: Adapter.1 R75.2 R77.2 U1.1 U1.3 | length 43.1
  Top Layer w0.203: v1(111.078,20.933) v1(111.078,44.047) ; R75.2@127.386,48.004 v1(127.386,48.873) R77.2@127.386,49.686
  Bottom Layer w0.203: v1(111.078,44.047) 114.38,47.349 122.254,47.349 123.778,48.873 v1(127.386,48.873)
  other v2: 111.078,14.837 112.348,14.837 113.618,14.837 114.888,14.837 116.158,14.837 111.078,18.647 112.348,18.647 113.618,18.647 114.888,18.647 116.158,18.647
VIN_Adatper_OUT: D12.1 D12.2 D13.1 D13.2 D16.2 Q23.2 R64.2 R67.1 R69.1 U1.5 U1.6 U1.7 U1.8 | length 42.9
  Top Layer w0.381: v1(105.185,33.887) 102.848,36.224 102.848,43.616 104.322,45.089 R67.1@107.852,45.089 v1(110.291,45.089)
  Bottom Layer w0.381: R64.2@103.738,28.553 103.738,32.135 105.09,33.487 D16.2@108.157,33.487 ; Q23.2@105.661,21.111 105.922,21.111 106.684,21.111 107.268,21.695 107.268,22.457 107.268,24.997 108.926,26.655 U1.5@109.844,26.655 ; v1(110.291,45.089) 110.291,48.086 112.007,49.802 R69.1@113.762,49.802
  other v2: 117.428,23.727 118.698,23.727 119.968,23.727 121.238,23.727 122.508,23.727 123.778,23.727 125.048,23.727 126.318,23.727 126.318,23.727 114.888,24.997 117.428,24.997 118.698,24.997 119.968,24.997 121.238,24.997 122.508,24.997 123.778,24.997 125.048,24.997 126.318,24.997 113.618,27.537 108.538,30.077 109.808,30.077 112.348,30.077 108.538,31.347 112.348,32.617
VIN_BAT: C26.2 C27.1 C28.1 D25.2 D28.2 Q22.2 R55.1 R80.2 R81.2 U12.7 U13.5@21.702,71.24 U13.6 U13.7 U13.8@23.796,71.24 | length 55.4
  Top Layer w0.254: D25.2@30.607,69.018 36.913,69.018 38.43,70.536 R55.1@38.43,71.374
  Top Layer w0.508: R80.2@28.5,61.468 28.5,64.467 30.607,66.573 D25.2@30.607,69.018
  Top Layer w1.016: Q22.2@15.088,71.095 16.739,71.095 17.246,71.095 17.601,70.74 17.958,70.383 20.845,70.383 U13.5@21.702,71.24 U13.5@21.749,71.193 ; C26.2@19.178,53.594 19.178,56.618 C28.1@19.202,56.642 C27.1@19.202,60.579 19.202,63.043 21.749,65.589 U13.6@21.749,69.017 ; C28.1@19.329,56.769 U12.7@25.492,56.769 ; U13.8@23.796,71.24 25.788,71.24 28.01,69.018 D25.2@30.607,69.018
pads on no net: J1.2 J1.A5 J1.A8 J1.B5 J1.B8 P9.5 P9.6 U10.2 U10.3 U10.4 U10.25 U10.28 U10.34 U10.35 U10.37 U10.38 U10.39 U10.40 U10.41 U10.50 U10.56 U10.57 U10.61 U10.62 U12.2 U12.3 U13.5@20.622,72.265 U13.5@20.717,69.017 U13.8@24.527,69.017 U13.8@24.622,72.265

## Polygon pours and split planes (outlines as drawn)
GND on Bottom Layer "GND_L02_P026" (solid, remove dead copper, pour order 26): -5.486,88.29 -1.981,91.796 216.764,91.796 216.764,-6.325 212.776,-10.312 210.21,-7.747 -6.655,-7.747 -6.655,86.868 -4.064,89.459
NetH2-_1 on Bottom Layer "L1_TOP-No Net" (solid, remove dead copper, pour order 23): 181,50.876 186.588,50.876 187.858,49.606 190.906,46.558 197.002,46.558 209.448,46.558 209.956,47.066 209.956,38.684 209.956,35.636 209.702,35.382 203.86,35.382 202.336,35.382 200.812,36.906 197.002,40.716 193.954,40.716 185.064,40.716 180.746,45.034 180.746,50.622 181,50.876
NetH1-_1 on Bottom Layer "L1_TOP-No Net" (solid, remove dead copper, pour order 22): 179.467,61.558 193.691,61.558 195.215,61.558 196.485,60.288 197.501,59.272 202.835,59.272 208.931,59.272 209.947,58.256 209.947,48.604 200.041,48.604 199.533,49.112 193.183,55.462 182.515,55.462 179.975,55.462 179.467,55.97 179.467,61.558
NetH3-_1 on Bottom Layer "L1_TOP-No Net" (solid, remove dead copper, pour order 21): 180.035,40.361 182.829,40.361 183.591,39.599 184.861,38.329 188.671,38.329 188.925,38.329 189.941,37.313 190.703,36.551 190.703,33.757 191.465,32.995 192.227,32.233 201.117,32.233 210.515,32.233 211.277,31.471 211.277,20.295 200.609,20.295 199.847,21.057 199.339,21.565 199.339,24.867 198.577,25.629 197.561,26.645 194.767,26.645 189.433,26.645 188.417,27.661 187.909,28.169 187.909,29.439 187.909,31.217 187.401,31.725 185.877,33.249 183.083,33.249 180.797,33.249 180.035,34.011 180.035,40.361
NetH4-_1 on Bottom Layer "L1_TOP-No Net" (solid, remove dead copper, pour order 19): 181.28,32.69 186.868,32.69 187.376,32.182 188.392,31.166 188.392,30.15 188.392,28.88 190.932,26.34 191.186,26.086 191.186,22.022 191.186,21.514 192.71,19.99 192.964,19.736 197.79,19.736 198.044,19.736 199.568,18.212 199.822,17.958 199.822,7.544 191.186,7.544 190.932,7.798 190.17,8.56 190.17,14.402 190.17,17.196 189.408,17.958 188.9,18.466 186.36,18.466 183.058,18.466 182.042,19.482 181.026,20.498 181.026,32.69
GND on Top Layer "GND_L01_P025" (solid, remove dead copper, pour order 25): -1.803,91.059 2.845,86.411 217.145,86.411 217.145,-0.838 212.75,-5.232 211.988,-4.47 -1.27,-4.47 -1.27,88.976 -2.057,89.764 -1.27,90.551 -1.27,91.592

## Keep-outs
Keep-Out Layer:
  lines w0.254: 0.432,0.559 0.432,84.531 211.557,84.531 211.557,0.559 0.432,0.559

## Other copper
Top Layer:
  rectangle net BAT_CHARGE_SW: 128.604,11.786 134.731,19.685
  rectangle net BAT_CHARGE_SW: 128.604,15.345 165.779,21.949
  rectangle net BAT_CHARGE_SW: 158.372,8.701 165.56,18.288
  rectangle net BAT_CHARGE: 166.446,15.345 191.342,23.981
  rectangle net BAT_CHARGE_SW: 128.604,8.487 135.716,13.31
  rectangle net BAT_CHARGE_SW: 145.622,7.979 153.75,18.901
  rectangle net BAT_CHARGE: 180.928,7.852 191.088,23.981
  rectangle net BAT_CHARGE: 189.056,15.345 201.248,57.763
  rectangle net air_12V: 188.142,63.047 200.003,75.188
  rectangle net air_12V: 183.214,65.663 189.081,75.264
  rectangle net NetD12_3: 114.253,30.89 121.543,38.561
  rectangle net NetD12_3: 114.278,28.401 128.299,33.913
  rectangle net VIN_Adatper_OUT: 116.641,21.949 127.715,26.902
  rectangle net VIN_Adatper_OUT: 107.801,25.302 110.621,34.751
Bottom Layer:
  rectangle net BAT_CHARGE_SW: 154.133,17.787 164.626,22.14
  rectangle net VIN_Adatper: 109.808,21.695 110.57,23.727
  rectangle net VIN_Adatper: 112.348,21.695 113.11,23.727
  rectangle net NetC11_1: 116.412,42.269 117.174,44.301
  rectangle net NetC11_1: 118.952,42.269 119.714,44.301
  rectangle net NetC12_2: 133.43,23.219 141.558,35.157
  rectangle net BAT_CHARGE_O: 144.606,26.521 157.988,28.553
  rectangle net BAT_CHARGE_O: 153.822,23.038 158.033,28.442
  rectangle net air_12V: 183.214,63.097 199.724,75.543
  rectangle net BAT_CHARGE: 174.578,67.923 178.388,68.685
  rectangle net BAT_CHARGE: 174.578,65.383 178.388,66.399
  rectangle net BAT_CHARGE: 166.45,18.647 174.578,68.685
  region net VIN_Adatper: 109.808,22.203 113.364,22.203 116.92,18.647 116.92,9.249 115.65,7.979 110.824,7.979 109.808,8.995
  region net VIN_Adatper_OUT: 113.11,29.569 115.142,27.537 127.08,27.537 128.35,26.267 128.35,22.203 127.588,21.441 117.174,21.441 113.872,24.743 108.538,24.743 107.776,25.505 107.776,29.315 108.03,29.569
  region net NetD12_3: 121.238,41.507 121.746,40.999 121.746,36.427 123.524,34.649 128.35,34.649 129.366,33.633 129.366,28.807 128.604,28.045 115.396,28.045 114.126,29.315 114.126,40.745 114.888,41.507
  region net NetC11_1: 116.412,44.047 116.412,46.079 117.174,46.841 144.098,46.841 144.098,38.713 123.778,38.713 123.27,39.221 123.27,42.777 122.254,43.793 116.666,43.793
  region net VIN_Adatper_OUT: 104.907,35.157 111.84,35.157 113.364,33.633 113.364,29.061 112.856,28.553 109.253,28.553 107.221,30.585 104.982,30.585 104.474,31.093 104.474,34.724
  region net BAT_CHARGE_SW: 148.67,20.425 148.67,16.107 146.638,14.075 146.638,9.249 147.908,7.979 151.972,7.979 153.242,9.249 153.242,14.075 150.956,16.361 150.956,20.171 150.702,20.425
  region net BAT_CHARGE_SW: 130.636,20.679 130.636,16.361 128.604,14.329 128.604,9.503 129.874,8.233 133.938,8.233 135.208,9.503 135.208,14.329 132.922,16.615 132.922,20.425 132.668,20.679
  region net BAT_CHARGE_O: 135.767,20.629 144.047,20.629 144.581,21.162 144.581,27.918 144.784,28.122 145.978,28.122 146.333,27.766 146.333,16.666 145.978,16.311 136.148,16.311 135.716,16.742 135.716,20.574 135.769,20.627

## Silkscreen, mask and mechanical layers (free items; w line width, h text height)
Top Overlay:
  text "LCD" at 66.446,86.843 h1.52
  text "PT100" at 75.667,86.335 h1.52
  text "SWCLK" at 88.768,58.183 h1.52
  text "GND" at 88.9,55.458 h1.52
  text "SWDIO" at 88.9,52.781 h1.52
  text "VCC" at 89.147,50.317 h1.52
  text "SW1" at 152.872,19.19 h1.52
  text "SW2" at 175.269,19.128 h1.52
  text "GND" at 138.949,17.202 h1.52
  text "V1.2" at 87.407,16.928 h1.52
  text "VBAT" at 148.67,16.666 h1.52
  text "V1.1" at 14.612,9.677 h1.52
  text "VBAT" at 161.05,5.918 h1.52
  text "GND" at 174.812,5.386 h1.52
  text "FREQ" at 94.691,-3.124 h1.52
  text "AIR" at 82.093,-3.175 h1.52
  text "VBAT" at 130.191,-3.906 h1.52
Top Solder:
  rectangle: 129.239,15.853 189.335,23.55
  rectangle: 189.158,15.904 192.485,57.535
Bottom Solder:
  rectangle: 167.161,25.658 173.331,68.508
  region: 151.489,25.632 160.354,25.632 160.887,25.099 160.887,19.841 162.488,18.241 181.182,18.241 181.182,14.99 154.258,14.99 151.489,17.758
Mechanical 1:
  the board outline again, w0.254